# Altium PCB CYAN_EVSE_Logic_board_v1.0.PcbDoc
Units mil, origin at the board's own origin, x right, y up, seen from the top; angles counter-clockwise.
Board outline 3346.46 x 3149.61 mil, 2 copper layers (Top Layer, Bottom Layer); 105 components, 68 nets, 325 pads, 130 vias.
Unrouted connection lines stored in the file: 54.
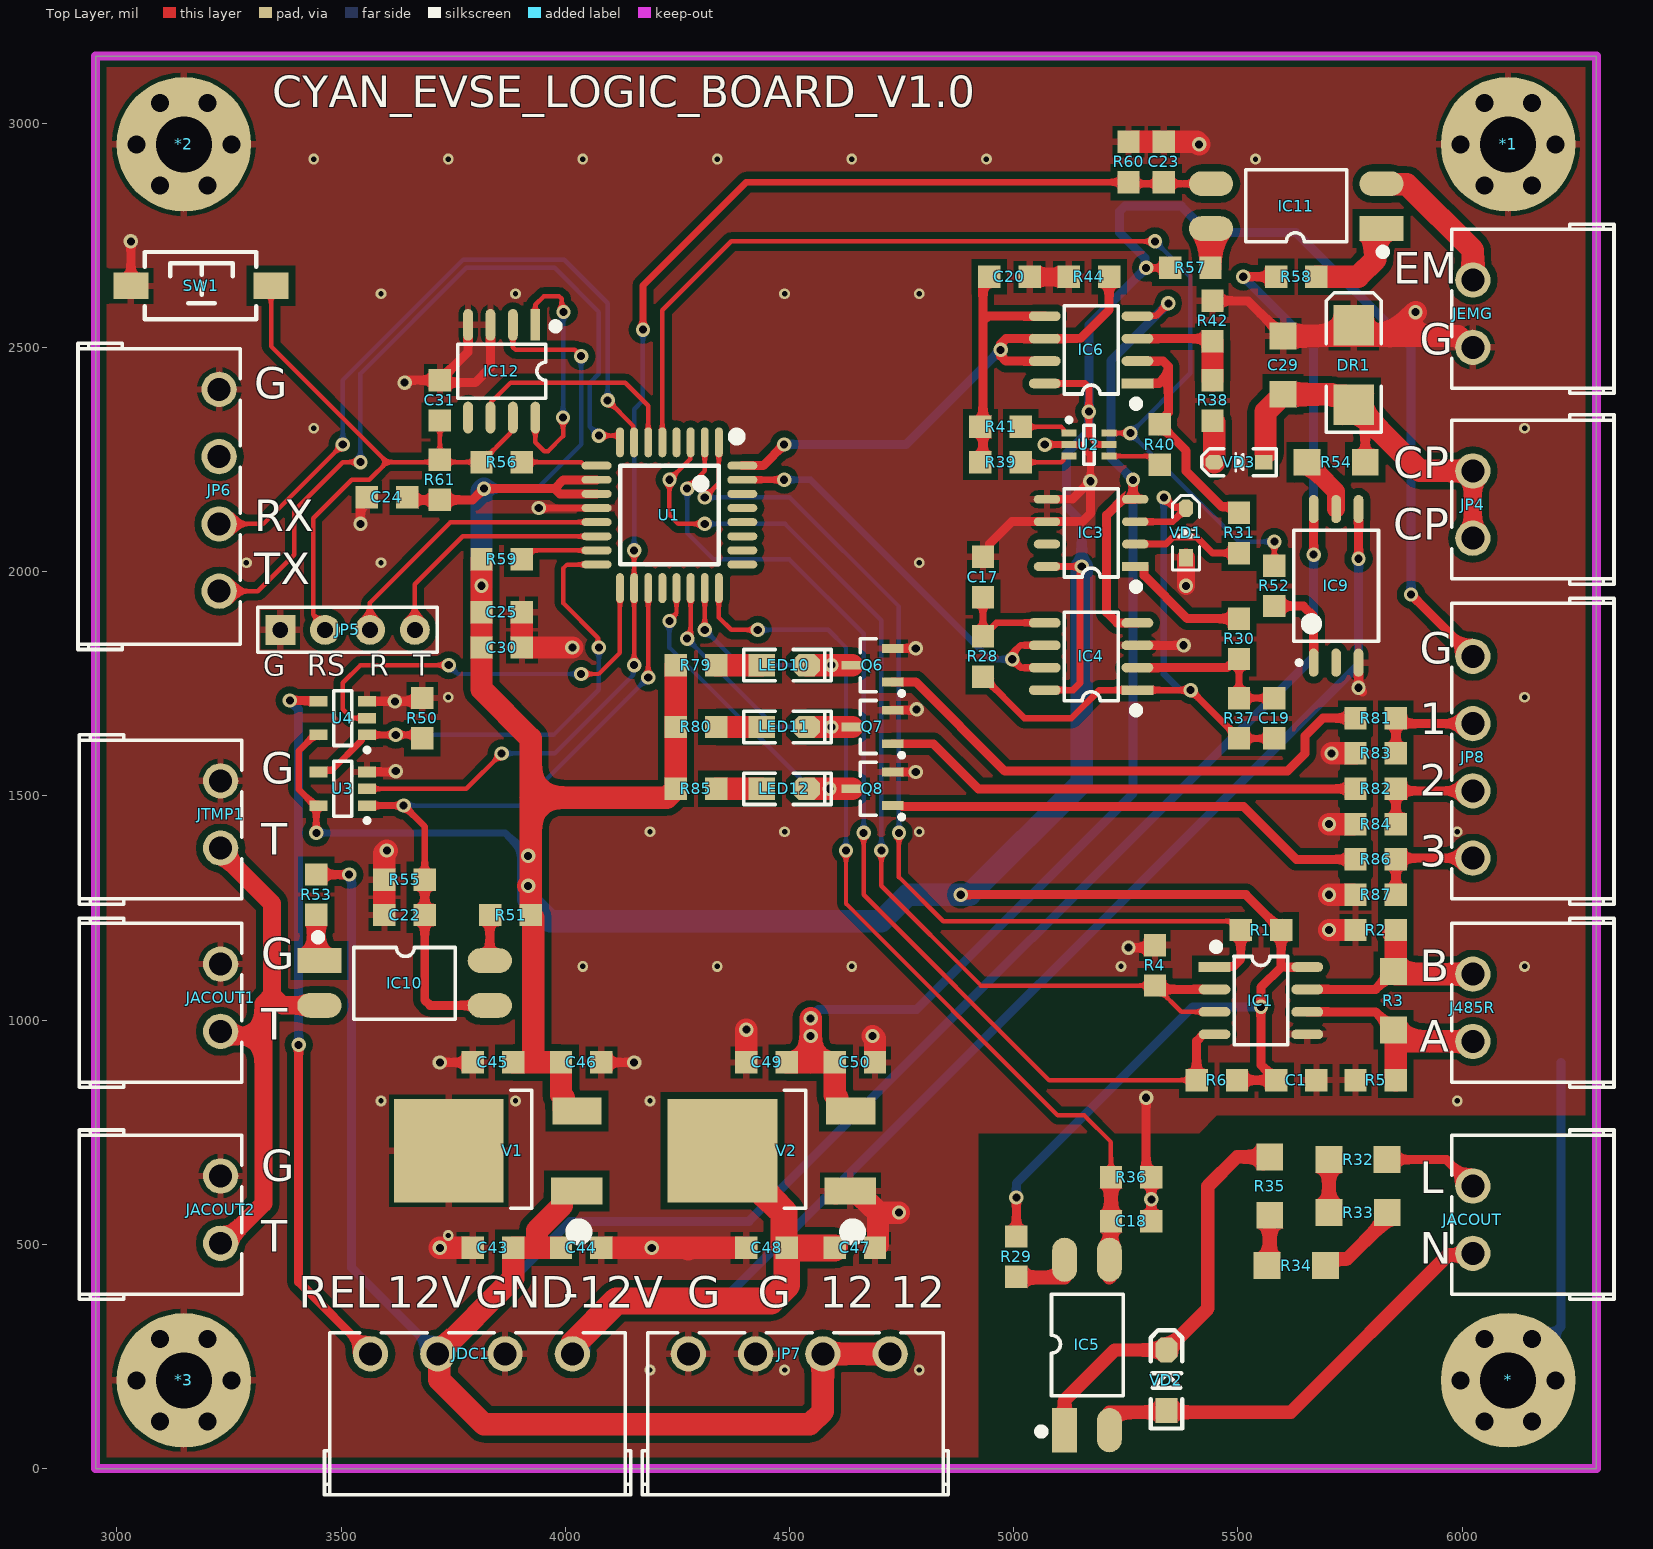
[diagram p0: Top Layer view]
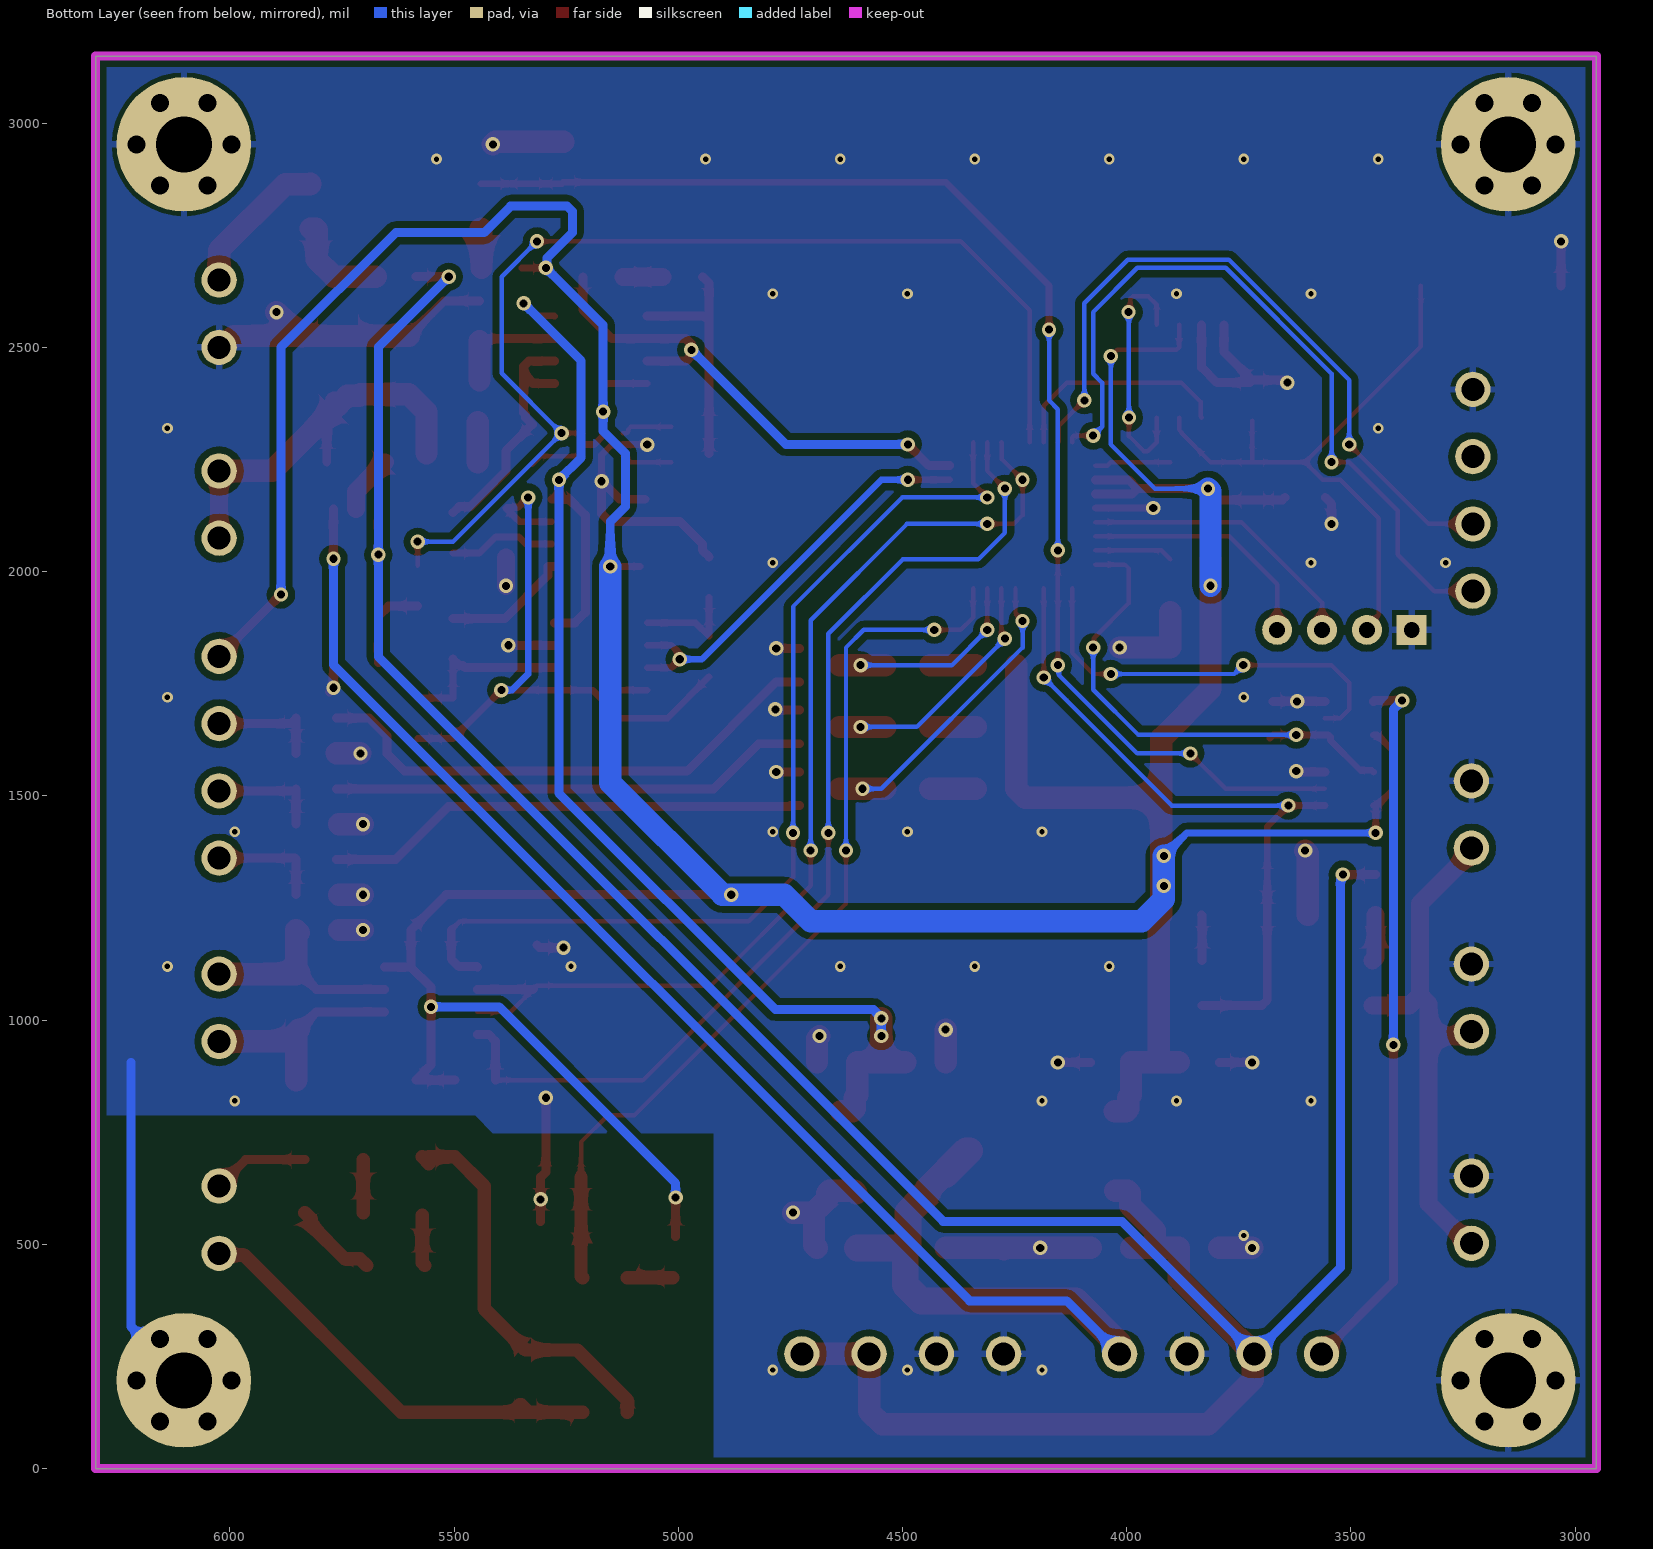
[diagram p1: Bottom Layer view, seen from below]

## Layer stack, top to bottom
Top Solder: solder mask 0.4, Solder Resist, Dk 3.5
Top Layer: signal copper 1.4
Dielectric1: dielectric 12.6, FR-4, Dk 4.8
Bottom Layer: signal copper 1.4
Bottom Solder: solder mask 0.4, Solder Resist, Dk 3.5

## Board outline
2952.76,0 2952.76,3149.61 6299.21,3149.61 6299.21,0

## Design rules (kind name [scope] priority, off if disabled: settings)
Clearance [InPolygon] p1: gap=15 ignorepadtopadclearanceinfootprint=TRUE
Clearance Clearance7mil [All] p2: gap=8 ignorepadtopadclearanceinfootprint=TRUE
ComponentClearance [All] p1: gap=0 collisioncheckmode=3 verticalgap=0 showdistances=FALSE
HoleSize [All] p1: absolutevalues=TRUE maxlimit=999 minlimit=1 maxpercent=80.000 minpercent=20.000
HoleToHoleClearance [All] p1: gap=0 allowstackedmicrovias=TRUE
MinimumSolderMaskSliver [All] p1: minsoldermaskwidth=0
PlaneConnect [All] p1: pad.planeconnectstyle=Relief pad.reliefexpansion=20 pad.reliefentries=4 pad.reliefconductorwidth=15 pad.reliefairgap=10 via.planeconnectstyle=Direct via.reliefexpansion=20 via.reliefentries=4 via.reliefconductorwidth=15 via.reliefairgap=10
PolygonConnect [All] p1: thpad.connectstyle=Relief thpad.reliefconductorwidth=15 thpad.reliefentries=4 thpad.polygonreliefangle="90 Angle" thpad.airgapwidth=10 smdpad.connectstyle=Relief smdpad.reliefconductorwidth=15 smdpad.reliefentries=4 smdpad.polygonreliefangle="90 Angle" smdpad.airgapwidth=10 via.connectstyle=Direct via.reliefconductorwidth=15 via.reliefentries=4 via.polygonreliefangle="90 Angle" via.airgapwidth=10
RoutingVias [All] p1: holewidth=18 width=32 viastyle="Through Hole" minholewidth=12 minwidth=20 maxholewidth=999 maxwidth=999
SilkToSilkClearance [All] p1: silktosilkclearance=0
SilkToSolderMaskClearance SilkscreenOverComponentPads [IsPad] p1: minsilkscreentomaskgap=0 clearancetoexposedcopper=TRUE
SolderMaskExpansion [All] p1: expansion=2 istentingtop=FALSE
Width Width_VCC [All] p1: maxlimit=999 minlimit=6 preferedwidth=8
Width [All] p2: maxlimit=999 minlimit=6 preferedwidth=7
23 further rules are at their usual default settings.

## Components (designator, comment, footprint, x,y, rotation, side; value= is the part's Value field where it differs from the comment)
* "M3" "M3 125X300" 6102.36,196.85 r180 top
*1 "M3" "M3 125X300" 6102.36,2952.76 r180 top
*2 "M3" "M3 125X300" 3149.61,2952.76 r180 top
*3 "M3" "M3 125X300" 3149.61,196.85 r180 top
C1 "C" "C 0805" 5629.92,866.14 r180 top value=100nF
C17 "C" "C 0805" 4931.4,1987.89 r90 top value=100nF
C18 "C" "C 0805" 5261.81,551.18 r180 top value=100nF
C19 "C" "C 0805" 5581,1672.93 r90 top value=100nF
C20 "C" "C 0805" 4990.45,2657.19 r180 top value=1nF
C22 "C" "C 0805" 3641.74,1234.26 r0 top value=100nF
C23 "C" "C 0805" 5334.65,2913.39 r270 top value=100nF
C24 "C" "C 0805" 3602.36,2165.35 r0 top value=100nF
C25 "C" "C 0805" 3858.27,1909.45 r180 top value=100nF
C29 "C" "C 1206" 5600.69,2460.33 r270 top value=3.3nF
C30 "C" "C 0805" 3858.27,1830.71 r180 top value=100nF
C31 "C" "C 0805" 3720.47,2381.89 r270 top value=100nF
C43 "C" "C 0805" 3838.58,492.13 r0 top value=10uF
C44 "C" "C 0805" 4035.43,492.13 r180 top value=100nF
C45 "C" "C 0805" 3838.58,905.51 r0 top value=10uF
C46 "C" "C 0805" 4035.43,905.51 r180 top value=100nF
C47 "C" "C 0805" 4645.67,492.13 r180 top value=10uF
C48 "C" "C 0805" 4448.82,492.13 r0 top value=100nF
C49 "C" "C 0805" 4448.82,905.51 r0 top value=10uF
C50 "C" "C 0805" 4645.67,905.51 r180 top value=100nF
DR1 "SMBJ16CA" SMB 5758.17,2460.33 r90 top
IC1 "MAX487" SOP8_N 5551.18,1043.31 r0 top
IC3 "TLC372" SOP8_L 5172.54,2086.32 r180 top
IC4 "LMV358" SOP8_N 5172.54,1810.73 r180 top
IC5 "817" SOP4-W2.54_M 5163.39,275.59 r90 top
IC6 "LMV358" SOP8_N 5172.54,2494.39 r180 top
IC9 "FOD8314" SOP6_L 5718.8,1968.21 r90 top
IC10 "817" SOP4-W2.54_M 3641.73,1082.68 r0 top
IC11 "817" SOP4-W2.54_M 5629.92,2814.96 r180 top
IC12 "SP706P/R/S/T" SOP8_N 3858.27,2446.85 r270 top
J485R "HDR-1X2" "MC 1,5/ 2-G-3,81" 6023.62,952.36 r90 top
JACOUT "HDR-1X2" "MC 1,5/ 2-G-3,81" 6023.62,479.92 r90 top
JACOUT1 "HDR-1X2" "MC 1,5/ 2-G-3,81" 3231.53,1124.8 r270 top
JACOUT2 "HDR-1X2" "MC 1,5/ 2-G-3,81" 3231.53,652.36 r270 top
JDC1 "HDR-1X4" "MC 1,5/ 4-G-3,81" 3565.75,255.91 r0 top
JEMG "HDR-1X2" "MC 1,5/ 2-G-3,81" 6023.62,2500 r90 top
JP4 "HDR-1X2" "MC 1,5/ 2-G-3,81" 6023.62,2074.41 r90 top
JP5 "HDR-1X4" HDR-1X4 3364.57,1870.08 r0 top
JP6 "HDR-1X4" "MC 1,5/ 4-G-3,81" 3228.35,2406.3 r270 top
JP7 "HDR-1X4" "MC 1,5/ 4-G-3,81" 4274.41,255.91 r0 top
JP8 "HDR-1X4" "MC 1,5/ 4-G-3,81" 6023.62,1361.02 r90 top
JTMP1 "HDR-1X2" "MC 1,5/ 2-G-3,81" 3231.53,1533.46 r270 top
LED10 "红色" "LED 0805G" 4488.19,1791.34 r0 top
LED11 "红色" "LED 0805G" 4488.19,1653.54 r0 top
LED12 "红色" "LED 0805G" 4488.19,1515.75 r0 top
Q6 "S9014" SOT23-3N 4685.04,1791.34 r90 top
Q7 "S9014" SOT23-3N 4685.04,1653.54 r90 top
Q8 "S9014" SOT23-3N 4685.04,1515.75 r90 top
R1 "R" "R 0805" 5551.18,1200.79 r0 top value=10K
R2 "R" "R 0805" 5807.09,1200.79 r180 top value=10K
R3 "R" "R 1206" 5846.46,1043.31 r90 top value=120
R4 "R" "R 0805" 5314.96,1122.05 r270 top value=10K
R5 "R" "R 0805" 5807.09,866.14 r0 top value=10K
R6 "R" "R 0805" 5452.76,866.14 r0 top value=10K
R28 "R" "R 0805" 4931.4,1810.73 r90 top value=100k
R29 "R" "R 0805" 5005.91,472.44 r90 top value=10K
R30 "R" "R 0805" 5502.26,1850.1 r270 top value=1k
R31 "R" "R 0805" 5502.26,2086.32 r270 top value=0
R32 "R" "R 1206" 5767.72,688.98 r180 top value=51K
R33 "R" "R 1206" 5767.72,570.87 r0 top value=51K
R34 "R" "R 1206" 5629.92,452.76 r180 top value=51K
R35 "R" "R 1206" 5570.87,629.92 r90 top value=51K
R36 "R" "R 0805" 5261.81,649.61 r180 top value=1M
R37 "R" "R 0805" 5502.26,1672.93 r270 top value=100k
R38 "R" "R 0805" 5443.21,2381.59 r270 top value=300k
R39 "R" "R 0805" 4970.77,2243.8 r180 top value=0
R40 "R" "R 0805" 5325.1,2283.17 r270 top value=0
R41 "R" "R 0805" 4970.77,2322.54 r180 top value=N/C
R42 "R" "R 0805" 5443.21,2558.76 r270 top value=100k
R44 "R" "R 0805" 5167.62,2657.19 r0 top value=10K
R50 "R" "R 0805" 3681.1,1673.23 r90 top value=10k
R51 "R" "R 0805" 3877.95,1234.26 r0 top value=100
R52 "R" "R 0805" 5581,1968.21 r270 top value=180
R53 "R" "R 0805" 3444.88,1279.53 r90 top value=1.5k
R54 "R" "R 1206" 5718.8,2243.8 r180 top value=1K
R55 "R" "R 0805" 3641.74,1313 r0 top value=10K
R56 "R" "R 0805" 3858.27,2244.09 r0 top value=1k
R57 "R" "R 0805" 5393.7,2677.17 r180 top value=100
R58 "R" "R 0805" 5629.92,2657.48 r180 top value=1.5k
R59 "R" "R 0805" 3858.27,2027.56 r0 top value=10K
R60 "R" "R 0805" 5255.91,2913.39 r270 top value=10K
R61 "R" "R 0805" 3720.47,2204.72 r270 top value=10K
R79 "R" "R 0805" 4291.34,1791.34 r180 top value=1K
R80 "R" "R 0805" 4291.34,1653.54 r180 top value=1K
R81 "R" "R 0805" 5807.09,1673.23 r0 top value=1k
R82 "R" "R 0805" 5807.09,1515.75 r0 top value=1k
R83 "R" "R 0805" 5807.09,1594.49 r0 top value=10k
R84 "R" "R 0805" 5807.09,1437.01 r0 top value=10k
R85 "R" "R 0805" 4291.34,1515.75 r180 top value=1K
R86 "R" "R 0805" 5807.09,1358.27 r0 top value=1k
R87 "R" "R 0805" 5807.09,1279.53 r0 top value=10k
SW1 "NC" "TSW SMD-3*6*2.5" 3188.98,2637.8 r0 top
U1 "STC8H1K16-36I-LQFP32" "LQFP32 7X7_N" 4232.28,2125.98 r180 top
U2 "SN74LVC1G3157DCKR" DCK0006A_N 5167.62,2283.17 r0 top
U3 "SN74LVC1G02DBVR" DBV0005A_N 3503.94,1515.75 r180 top
U4 "SN74LVC1G08DBVR" DBV0005A_N 3503.94,1673.23 r180 top
V1 "7805" TO252 3905.51,708.66 r90 top
V2 "7905" TO252 4515.75,708.66 r90 top
VD1 "1N4148" SOD-323 5384.15,2086.32 r90 top
VD2 "FR107" SOD-123 5340.55,196.85 r90 top
VD3 "1N4148" SOD-323 5502.26,2243.8 r180 top

## Footprints (in the part's own frame and the unit in brackets; to place one, negate y for a bottom-side part, rotate by r counter-clockwise, add the part's x,y. Pads: shape width x height; smd on the part's side, far side on the other; paste and mask are expansions set on the pad)
"C 0805" [mil] "无极性贴片电容"
  rect 50x50 smd: 1(-45,0) 2(45,0)
  body extent -39,-24 39,24, height 20
"C 1206" [mil] "无极性贴片电容"
  rect 60x60 smd: 1(-65,0) 2(65,0)
  body extent -63,-32 63,32, height 48
DBV0005A_N [mm] "SOT23, 5-Leads, Body 3.05x1.75mm, Pitch 0.95mm, IPC Medium Density"
  rect 1x0.6 smd: 1(-1.375,0.95) 2(-1.375,0) 3(-1.375,-0.95) 4(1.375,-0.95) 5(1.375,0.95)
  silkscreen extent -1.5,-1.55 0.5,1.92, body extent -1.42,-1.46 1.42,1.46, height 1.45
DCK0006A_N [mm] "SOT23, 6-Leads, Body 2.15x1.4mm, Pitch 0.65mm, IPC Medium Density"
  rect 0.85x0.4 smd: 1(-1.125,0.65) 2(-1.125,0) 3(-1.125,-0.65) 4(1.125,-0.65) 5(1.125,0) 6(1.125,0.65)
  silkscreen extent -1.25,-1.1 0.3,1.52, body extent -1.14,-1 1.14,1, height 1.1
HDR-1X4 [mm] "排针，4脚"
  rect 1.7x1.7 hole 0.9: 1(0,0)
  round 1.7 hole 0.9: 2(2.54,0) 3(5.08,0) 4(7.62,0)
  silkscreen extent -1.27,-1.27 8.89,1.27, body extent -1.27,-1.27 8.89,1.27, height 8.5
"LED 0805G" [mil] "绿色0805LED"
  rect 60x50 smd: 1(-50,0)
  oct 60x50 smd: 2(50,0)
  silkscreen extent -90,-35 105,35, body extent -39,-25 39,25, height 32
"LQFP32 7X7_N" [mm] "32脚，体宽7x7mm，脚距0.8mm"
  oval 0.45x1.7 smd: 1(-2.8,-4.12) 2(-2,-4.12) 3(-1.2,-4.12) 4(-0.4,-4.12) 5(0.4,-4.12) 6(1.2,-4.12) 7(2,-4.12) 8(2.8,-4.12) 17(2.8,4.132) 18(2,4.132) 19(1.2,4.132) 20(0.4,4.132) 21(-0.4,4.132) 22(-1.2,4.132) 23(-2,4.132) 24(-2.8,4.132)
  oval 1.7x0.45 smd: 9(4.126,-2.8) 10(4.126,-2) 11(4.126,-1.2) 12(4.126,-0.4) 13(4.126,0.4) 14(4.126,1.2) 15(4.126,2) 16(4.126,2.8) 25(-4.126,2.8) 26(-4.126,2) 27(-4.126,1.2) 28(-4.126,0.4) 29(-4.126,-0.4) 30(-4.126,-1.2) 31(-4.126,-2) 32(-4.126,-2.8)
  silkscreen extent -4.06,-4.69 2.79,2.79, body extent -4.5,-4.5 4.5,4.5, height 1.45
"M3 125X300" [mil] "M3螺丝孔，孔125Mil，焊盘300Mil"
  round 40 hole 40: 0(-106,0) 0(-53,91.8) 0(-53,-91.8) 0(53,91.8) 0(53,-91.8) 0(106,0)
  round 300 hole 125: 0(0,0)
"MC 1,5/ 2-G-3,81" [mm] "10A 300 V, Pitch 3.81mm, 2 Positions PCB Right Angle Male Header, BC/SC 3.81 Serie"
  round 2 hole 1.3: 1(0,0) 2(3.81,0)
  silkscreen extent -2.61,-8 6.98,1.21, body extent -2.35,-17.45 6.66,1.4, height 8.3
"MC 1,5/ 4-G-3,81" [mm] "10A 300 V, Pitch 3.81mm, 4 Positions PCB Right Angle Male Header, BC/SC 3.81 Serie"
  round 2 hole 1.3: 1(0,0) 2(3.81,0) 3(7.62,0) 4(11.43,0)
  silkscreen extent -2.61,-8 14.73,1.21, body extent -2.35,-16.76 14.28,1.4, height 8.3
"R 0805" [mil] "1/8W贴片电阻"
  rect 50x50 smd: 1(-45,0) 2(45,0)
  body extent -39,-25 39,25, height 20
"R 1206" [mil] "1/4W贴片电阻"
  rect 60x60 smd: 1(-65,0) 2(65,0)
  body extent -63,-31 63,32, height 22
SMB [mm] "DO-214-AA/SMB; 2 C-Bend Leads; Body 5.3 x 3.6 mm, inc. leads (LxW)"
  rect 2.3x2.3 smd: 1(-2.25,0) 2(2.25,0)
  silkscreen extent -3.8,-1.55 4.1,1.55
SOD-123 [mil] "2.7x1.6X1.1mm（长宽高，不包括引脚）"
  rect 55x50 smd: 1(-67.5,0)
  oct 55x50 smd: 2(67.5,0)
  silkscreen extent -108,-35 112,35, body extent -73,-31 73,31, height 48
SOD-323 [mm] "1.8x1.3X0.9mm（长宽高，不包括引脚）"
  rect 1x0.8 smd: 1(-1.4,0)
  oct 1x0.8 smd: 2(1.4,0)
  silkscreen extent -2.11,-0.76 2.11,0.76, body extent -1.34,-0.63 1.31,0.67, height 1
SOP4-W2.54_M [mm] "6.5*4.58*3.5mm（长宽高）"
  rect 2.5x1.4 smd: 1(-4.826,1.27)
  oval 2.5x1.4 smd: 2(-4.826,-1.27) 3(4.826,-1.27) 4(4.826,1.27)
  silkscreen extent -5.06,-2.05 2.87,2.74, body extent -5,-2.29 5,2.29, height 3.83
SOP6_L [mm]
  oval 1.6x0.55 smd: 1(-4.35,1.27) 2(-4.35,0) 3(-4.35,-1.27) 4(4.35,-1.27) 5(4.35,0) 6(4.35,1.27)
  silkscreen extent -4.47,-2.4 3.15,2.4, body extent -4.85,-2.4 4.85,2.4, height 3.18
SOP8_L [mm] "5*6*1.8mm（长宽高）"
  rect 1.5x0.5 smd: 1(-2.5,1.905)
  oval 1.5x0.5 smd: 2(-2.5,0.635) 3(-2.5,-0.635) 4(-2.5,-1.905) 5(2.5,-1.905) 6(2.5,-0.635) 7(2.5,0.635) 8(2.5,1.905)
  silkscreen extent -2.69,-2.5 1.52,3.2, body extent -3,-2.5 3,2.5, height 1.9
SOP8_N [mm] "5*6*1.8mm（长宽高）"
  rect 1.8x0.55 smd: 1(-2.625,1.905)
  oval 1.8x0.55 smd: 2(-2.625,0.635) 3(-2.625,-0.635) 4(-2.625,-1.905) 5(2.625,-1.905) 6(2.625,-0.635) 7(2.625,0.635) 8(2.625,1.905)
  silkscreen extent -2.69,-2.5 1.52,3.2, body extent -3,-2.5 3,2.5, height 1.9
SOT23-3N [mm] "3x1.3x1mm(长宽高)"
  rect 0.5x1.2 smd: 1(-0.95,-1.143) 2(0.95,-1.143) 3(0,1.143)
  silkscreen extent -1.72,-1.78 1.5,0.7, body extent -1.5,-1.2 1.5,1.2, height 1.05
TO252 [mil] "252晶体管"
  rect 60x115 smd: 1(-89.55,-119.77)
  rect 230x245 smd: 2(0,165.35)
  rect 60x110 smd: 3(88.45,-120.77)
  silkscreen extent -196,-140 135,28, body extent -127,-120 129,251, height 91
"TSW SMD-3*6*2.5" [mm] "3*6*2.5mm"
  rect 2x1.5 smd: 1(-3.996,-0.02) 2(3.937,0)
  silkscreen extent -3.21,-1.9 3.09,1.9, body extent -4,-1.88 4,1.62, height 2.59
